# KiCad board enclosurefinal01.kicad_pcb (continued)
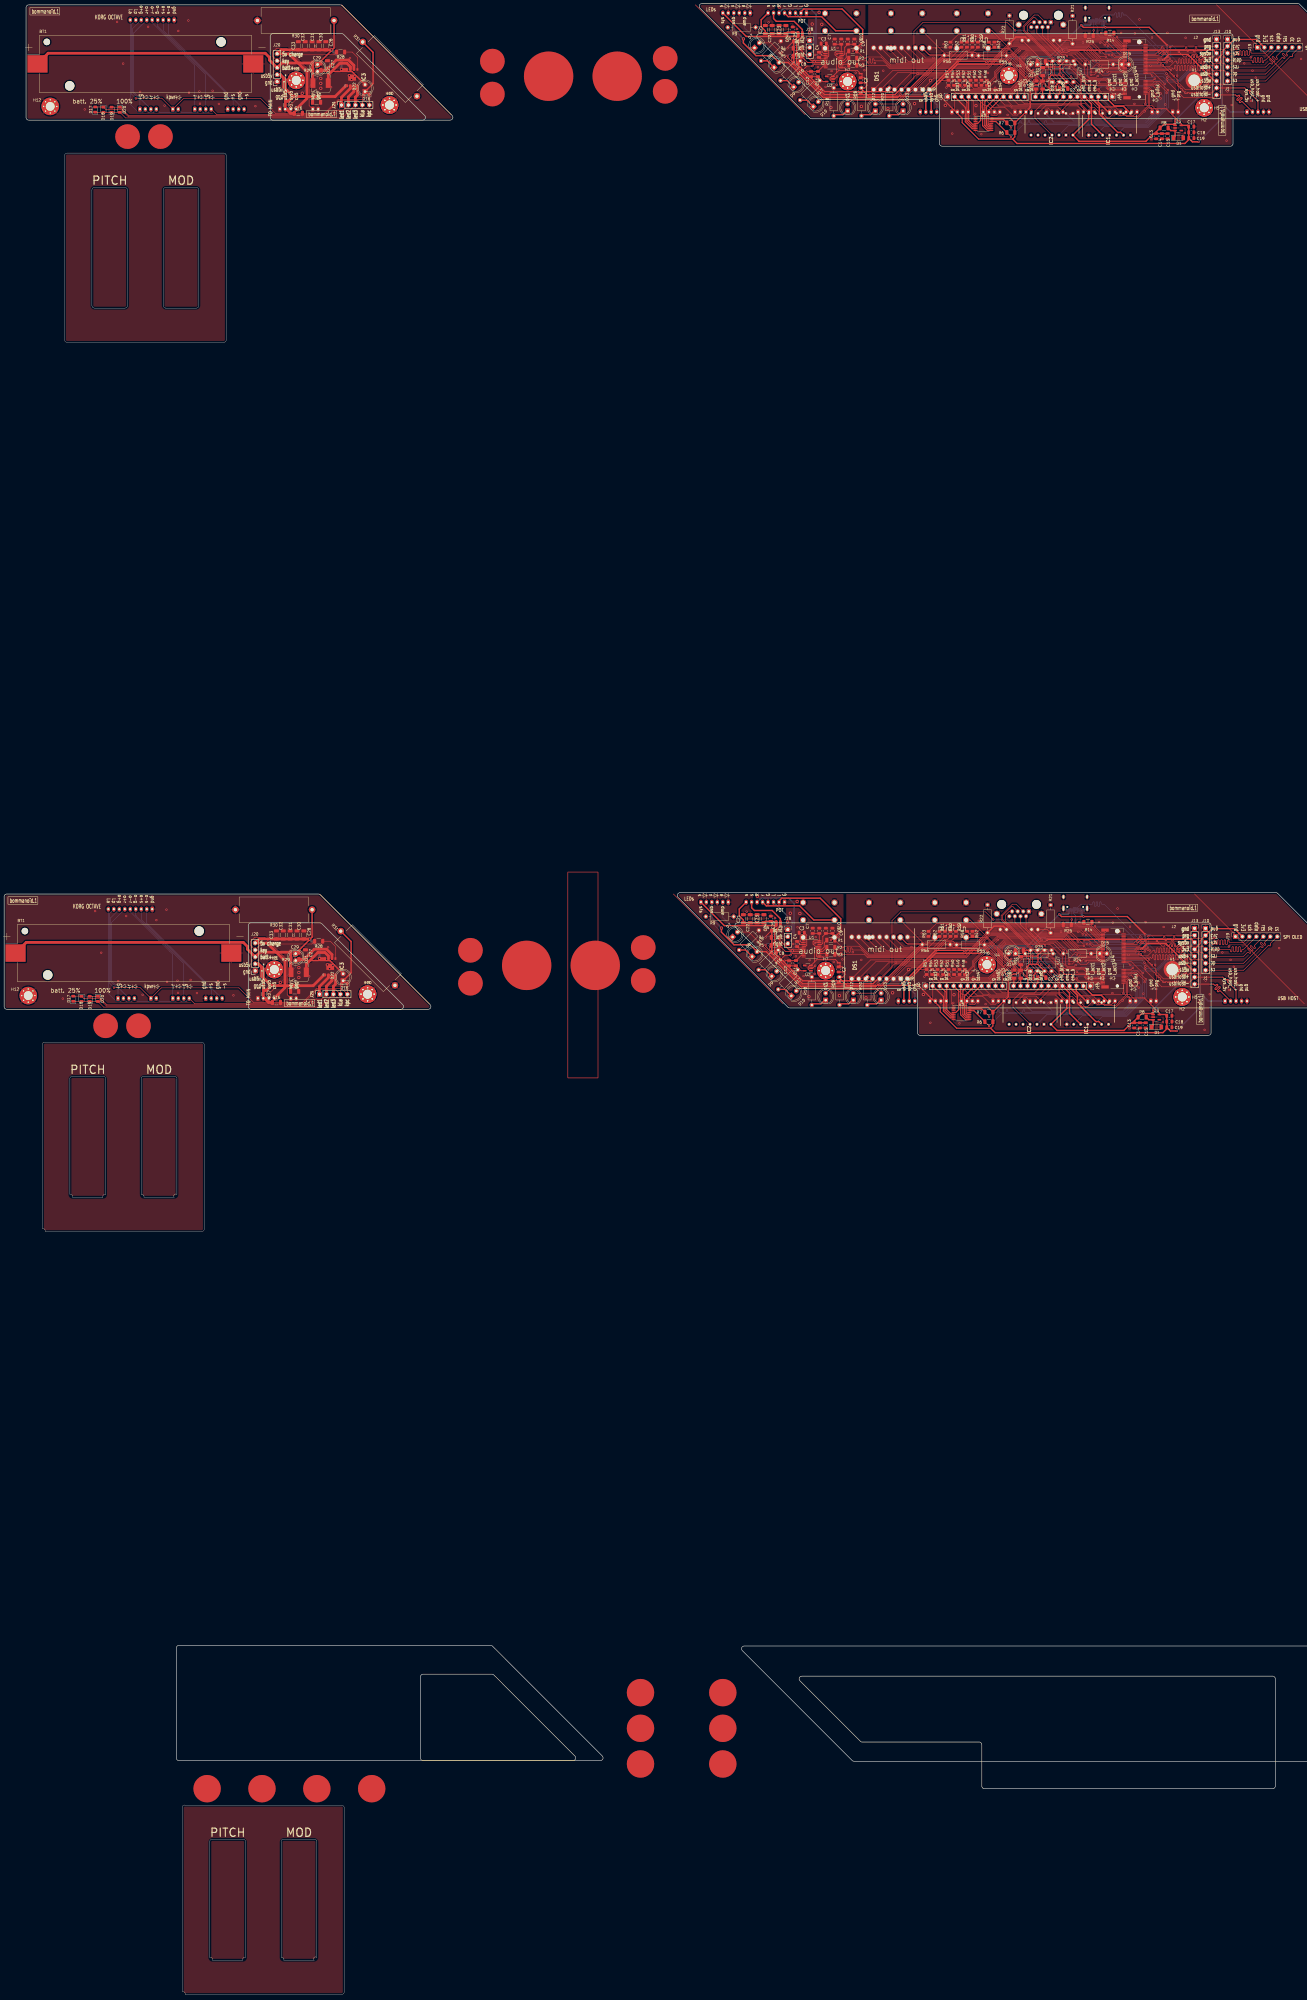
[diagram p0: board, top side]
## Routing (per net, layer and track width the routed paths; a pad name or vN(x,y) marks a point on that pad's centre or on a via; arc(x,y) is an arc through that point) (continued)
  Bottom w0.5: J13.3 444,705.42 444,689 447,686 J32.1 ; v1(364.28,703.4) 366.28,705.4 382.09,705.4 385.82,709.13 387.34,709.13 v1(388.18,708.3) ; v1(356.28,379.4) 358.28,381.4 374.09,381.4 377.82,385.13 379.34,385.13 v1(380.18,384.3) ; v1(327.3,694.8) 335.2,694.8 v1(337.75,692.25) ; J13#2.3 436,381.42 436,365 439,362 J32#2.1 ; v1(329.75,368.25) 327.2,370.8 v1(319.3,370.8)
/bommanoid_main_bottom/usb_5v: length 474.9
  Top w0.5: v1(356.05,380.5) 339.6,380.5 v1(327.3,368.2) 328,367.5 J8.2 ; v1(392.68,717.6) 393.48,716.8 v1(401.48,716.8) 417.48,716.8 v1(423.98,710.3) ; v2(269.5,712.6) 269.5,711.1 274.1,706.5 280,706.5 D8#2.2 285.85,704 298.64,691.2 325.69,691.2 v1(326.84,692.36) ; v2(261.5,388.6) 261.5,387.1 266.1,382.5 272,382.5 D8.2 277.85,380 290.64,367.2 317.69,367.2 v1(318.84,368.36) ; v1(415.98,386.3) 409.48,392.8 v1(393.48,392.8) 385.48,392.8 v1(384.68,393.6) ; J8#2.2 336,691.5 v1(335.3,692.2) 347.6,704.5 v1(364.05,704.5) ; v1(422.58,704.9) 424.58,706.9 431.6,706.9 441.24,697.26 J13.7 ; J13#2.7 433.24,373.26 423.6,382.9 416.58,382.9 v1(414.58,380.9)
  Bottom w0.3: J6#2.A4 395.95,717.73 395.98,717.7 396.25,717.98 J6#2.B9 ; J6.B9 388.25,393.98 387.98,393.7 387.95,393.73 J6.A4 ; 392.78,393.3 392.75,393.33 J6.B4 ; 400.88,717.4 401.05,717.58 J6#2.A9 ; 392.88,393.4 393.05,393.58 J6.A9 ; J6#2.B4 400.75,717.33 400.78,717.3
  Bottom w0.5: J22.4 266,716.1 v2(269.5,712.6) ; v1(415.98,386.3) 415.98,382.3 v1(414.58,380.9) ; v1(364.05,704.5) 365.65,706.1 381.17,706.1 v1(392.68,717.6) 395.78,717.6 396.18,718 ; v1(356.05,380.5) 357.65,382.1 373.17,382.1 v1(384.68,393.6) 387.78,393.6 388.18,394 ; J22#2.4 258,392.1 v2(261.5,388.6) ; 400.88,717.4 v1(401.48,716.8) ; v1(423.98,710.3) 423.98,706.3 v1(422.58,704.9) ; v1(327.3,368.2) 327.14,368.36 v1(318.84,368.36) ; v1(326.84,692.36) 335.14,692.36 v1(335.3,692.2) ; 392.88,393.4 v1(393.48,392.8)
/bommanoid_main_bottom/usb_data_+: length 124.3
  Top w0.2: J13.5 436.49,707.85 422.57,707.85 v1(422.38,707.65) ; J13#2.5 428.49,383.85 414.57,383.85 v1(414.38,383.65)
  Bottom w0.2: J6.A6 390.25,394.41 390.3,394.36 391.2,394.36 391.25,394.41 J6.B6 391.25,396.06 392.5,397.3 396.6,397.3 arc(396.81,397.39) 396.9,397.6 396.9,397.87 arc(396.99,398.08) 397.2,398.17 arc(397.41,398.08) 397.5,397.87 397.5,396.73 arc(397.59,396.52) 397.8,396.43 arc(398.01,396.52) 398.1,396.73 398.1,397.87 arc(398.19,398.08) 398.4,398.17 arc(398.61,398.08) 398.7,397.87 398.7,396.73 arc(398.79,396.52) 399,396.43 arc(399.21,396.52) 399.3,396.73 399.3,397.87 arc(399.39,398.08) 399.6,398.17 arc(399.81,398.08) 399.9,397.87 399.9,397.6 arc(399.99,397.39) 400.2,397.3 401.03,397.3 414.38,383.95 v1(414.38,383.65) ; v1(422.38,707.65) 422.38,707.95 409.03,721.3 408.2,721.3 arc(407.99,721.39) 407.9,721.6 407.9,721.87 arc(407.81,722.08) 407.6,722.17 arc(407.39,722.08) 407.3,721.87 407.3,720.73 arc(407.21,720.52) 407,720.43 arc(406.79,720.52) 406.7,720.73 406.7,721.87 arc(406.61,722.08) 406.4,722.17 arc(406.19,722.08) 406.1,721.87 406.1,720.73 arc(406.01,720.52) 405.8,720.43 arc(405.59,720.52) 405.5,720.73 405.5,721.87 arc(405.41,722.08) 405.2,722.17 arc(404.99,722.08) 404.9,721.87 404.9,721.6 arc(404.81,721.39) 404.6,721.3 400.5,721.3 399.25,720.06 J6#2.B6 399.25,718.41 399.2,718.36 398.3,718.36 398.25,718.41 J6#2.A6
/bommanoid_main_bottom/usb_data_-: length 124.3
  Top w0.2: J13#2.6 428.7,381.1 arc(428.48,381.19) 428.27,381.1 428.07,380.9 arc(427.86,380.81) 427.65,380.9 arc(427.56,381.11) 427.65,381.33 428.47,382.15 arc(428.56,382.37) 428.47,382.58 arc(428.26,382.67) 428.05,382.58 427.22,381.75 arc(427.01,381.66) 426.8,381.75 arc(426.71,381.96) 426.8,382.17 427,382.38 arc(427.09,382.59) 427,382.8 426.35,383.45 416.35,383.45 415.85,382.95 413.88,382.95 v1(413.18,383.65) ; v1(421.18,707.65) 421.88,706.95 423.85,706.95 424.35,707.45 434.35,707.45 435,706.8 arc(435.09,706.59) 435,706.38 434.8,706.17 arc(434.71,705.96) 434.8,705.75 arc(435.01,705.66) 435.22,705.75 436.05,706.58 arc(436.26,706.67) 436.47,706.58 arc(436.56,706.37) 436.47,706.15 435.65,705.33 arc(435.56,705.11) 435.65,704.9 arc(435.86,704.81) 436.07,704.9 436.27,705.1 arc(436.48,705.19) 436.7,705.1 J13.6
  Bottom w0.2: v1(413.18,383.65) 413.12,383.65 407.78,389 391.78,389 390.58,390.2 390.58,393.2 389.75,394.03 J6.B7 389.75,396.06 389.8,396.11 390.7,396.11 390.75,396.06 J6.A7 ; v1(421.18,707.65) 421.12,707.65 415.78,713 399.78,713 398.58,714.2 398.58,717.2 397.75,718.03 J6#2.B7 397.75,720.06 397.8,720.11 398.7,720.11 398.75,720.06 J6#2.A7
/bommanoid_main_bottom/usb_host_+: length 44
  Top w0.3: J32.3 457.1,689.9 454.1,692.9 arc(454.01,693.11) 454.1,693.33 454.21,693.44 arc(454.3,693.65) 454.21,693.86 arc(454,693.95) 453.79,693.86 453.67,693.75 arc(453.46,693.66) 453.25,693.75 452.28,694.72 J13.8 ; J32#2.3 449.1,365.9 446.1,368.9 arc(446.01,369.11) 446.1,369.33 446.21,369.44 arc(446.3,369.65) 446.21,369.86 arc(446,369.95) 445.79,369.86 445.67,369.75 arc(445.46,369.66) 445.25,369.75 444.28,370.72 J13#2.8
/bommanoid_main_bottom/usb_host_-: length 44
  Top w0.3: J32.2 451.42,689.68 arc(451.21,689.77) 451,689.68 450.75,689.43 arc(450.53,689.34) 450.32,689.43 arc(450.23,689.64) 450.32,689.85 451.25,690.78 arc(451.33,690.99) 451.25,691.2 arc(451.03,691.29) 450.82,691.2 449.9,690.28 arc(449.69,690.19) 449.47,690.28 arc(449.39,690.49) 449.47,690.7 450.4,691.63 arc(450.49,691.84) 450.4,692.05 arc(450.19,692.14) 449.97,692.05 449.72,691.8 arc(449.51,691.71) 449.3,691.8 448.92,692.18 J13.9 ; J32#2.2 443.42,365.68 arc(443.21,365.77) 443,365.68 442.75,365.43 arc(442.53,365.34) 442.32,365.43 arc(442.23,365.64) 442.32,365.85 443.25,366.78 arc(443.33,366.99) 443.25,367.2 arc(443.03,367.29) 442.82,367.2 441.9,366.28 arc(441.69,366.19) 441.47,366.28 arc(441.39,366.49) 441.47,366.7 442.4,367.63 arc(442.49,367.84) 442.4,368.05 arc(442.19,368.14) 441.97,368.05 441.72,367.8 arc(441.51,367.71) 441.3,367.8 440.92,368.18 J13#2.9
/bommanoid_main_bottom/ws2812_data_5v: length 85.2
  Top w0.2: J17#2.3 368.9,397.3 367.58,397.3 363.48,393.2 363.48,391.6 374.08,381 374.08,375.5 378.16,371.42 J15#2.8 ; J15.8 386.16,695.42 382.08,699.5 382.08,705 371.48,715.6 371.48,717.2 375.58,721.3 376.9,721.3 J17.3
/bommanoid_main_top/aleft: length 28.1
  Top w0.3: v1(285.58,709.2) 285.58,709.55 C5.1 ; R4.2 279.66,387.64 ; C5#2.1 277.58,385.55 v1(277.58,385.2) ; R4#2.2 287.66,711.64
  Bottom w0.3: v1(285.58,709.2) 285.84,709.46 J5.2 ; v1(277.58,385.2) 277.84,385.46 J5#2.2
/bommanoid_main_top/aright: length 28.6
  Top w0.3: v1(277.58,382.4) 277.58,381.9 C8.1 ; R5#2.2 287.66,703.81 ; v1(285.58,706.4) 285.58,705.9 C8#2.1 ; R5.2 279.66,379.81
  Bottom w0.3: J5.3 286.1,706.92 v1(285.58,706.4) ; J5#2.3 278.1,382.92 v1(277.58,382.4)
/bommanoid_main_top/btn_x1: length 30.9
  Top w0.4: U5#2.7 352.93,679.88 350.4,682.4 350.4,687.67 J4#2.2 ; U5.7 344.93,355.88 342.4,358.4 342.4,363.67 J4.2
/bommanoid_main_top/btn_x2: length 27.3
  Top w0.4: J4#2.3 351,689.61 351,682.67 353.15,680.53 U5#2.6 ; J4.3 343,365.61 343,358.67 345.15,356.53 U5.6
/bommanoid_main_top/btn_x3: length 23.6
  Top w0.4: U5#2.5 354.09,681.23 353.29,681.23 351.65,682.87 J4#2.4 ; J4.4 343.65,358.87 345.29,357.23 346.09,357.23 U5.5
/bommanoid_main_top/btn_x4: length 23.3
  Top w0.4: J4.5 348,365.69 348,358.89 346.93,357.83 U5.4 ; U5#2.4 354.93,681.83 356,682.89 356,689.69 J4#2.5
/bommanoid_main_top/btn_x5: length 28.8
  Top w0.4: U5#2.9 358.47,679.23 356.73,680.97 J4#2.6 ; U5.9 350.47,355.23 348.73,356.97 J4.6
/bommanoid_main_top/btn_x6: length 28
  Top w0.4: U5.10 350.67,355.88 349.53,357.02 349.53,365.76 J4.7 ; J4#2.7 357.53,689.76 357.53,681.02 358.67,679.88 U5#2.10
/bommanoid_main_top/btn_x7: length 27.6
  Top w0.4: U5.11 350.87,356.53 350.13,357.27 350.13,363.82 J4.8 ; U5#2.11 358.87,680.53 358.13,681.27 358.13,687.82 J4#2.8
/bommanoid_main_top/btn_x8: length 26.8
  Top w0.4: U5#2.12 359.07,681.18 358.73,681.52 358.73,686.3 363.92,691.5 ; 355.92,367.5 350.73,362.3 350.73,357.52 351.07,357.18 U5.12
/bommanoid_main_top/enc_a: length 91.3
  Top w0.2: U4.43 392.09,378.75 389.84,376.5 v1(388.16,376.5) ; v1(374.86,700.1) 372.66,697.9 372.66,696.9 369.43,693.67 J4#2.11 ; U4#2.43 400.09,702.75 397.84,700.5 v1(396.16,700.5) ; J4.11 361.43,369.67 364.66,372.9 364.66,373.9 v1(366.86,376.1)
  Bottom w0.2: v1(366.86,376.1) 367.25,376.5 v1(388.16,376.5) ; v1(396.16,700.5) 375.25,700.5 v1(374.86,700.1)
/bommanoid_main_top/enc_b: length 88.4
  Top w0.2: U4.41 392.16,378.25 389.41,375.5 v1(388.27,375.5) ; v1(396.27,699.5) 397.41,699.5 400.16,702.25 U4#2.41 ; v1(366.66,374.7) 366.26,374.7 365.06,373.5 365.06,372.7 363.97,371.61 J4.12 ; v1(374.66,698.7) 374.26,698.7 373.06,697.5 373.06,696.7 371.97,695.61 J4#2.12
  Bottom w0.2: v1(366.66,374.7) 367.77,375.81 387.97,375.81 v1(388.27,375.5) ; v1(396.27,699.5) 395.97,699.81 375.77,699.81 v1(374.66,698.7)
/bommanoid_main_top/enc_btn: length 94.9
  Top w0.2: 366.89,691.73 372.26,697.1 372.26,698.5 v1(375.06,701.3) ; v1(396.28,701.49) 398.58,703.8 408.51,703.8 ; v1(367.06,377.3) 364.26,374.5 364.26,373.1 358.89,367.73 ; v1(388.28,377.49) 390.58,379.8 400.51,379.8
  Bottom w0.2: v1(367.06,377.3) 367.25,377.49 v1(388.28,377.49) ; v1(396.28,701.49) 375.25,701.49 v1(375.06,701.3)
/bommanoid_main_top/I2C_SCL: length 163.3
  Top w0.2: v1(413.66,368.7) 410.86,371.5 U4.14 ; v1(421.66,692.7) 418.86,695.5 U4#2.14 ; R6#2.1 367.06,676.98 v1(367.06,676.9) ; R6.1 359.06,352.98 v1(359.06,352.9)
  Top w0.4: U5#2.14 361.56,682.48 R6#2.1 ; R6.1 353.56,358.48 U5.14
  Bottom w0.2: v1(421.66,692.7) 422.46,691.9 422.46,687.41 416.55,681.5 371.66,681.5 v1(367.06,676.9) ; v1(359.06,352.9) 363.66,357.5 408.55,357.5 414.46,363.41 414.46,367.9 v1(413.66,368.7)
/bommanoid_main_top/I2C_SDA: length 162.8
  Top w0.2: R7#2.1 367.06,680.48 v1(367.06,680.3) ; U4#2.12 417.37,695 421.47,690.9 v1(421.66,690.9) ; v1(413.66,366.9) 413.47,366.9 409.37,371 U4.12 ; R7.1 359.06,356.48 v1(359.06,356.3)
  Top w0.4: R7.1 356.41,359.13 U5.15 ; U5#2.15 364.41,683.13 R7#2.1
  Bottom w0.2: v1(421.66,690.9) 421.75,690.8 421.75,687.27 416.39,681.9 380.3,681.9 arc(380.09,681.99) 380,682.2 380,682.6 arc(379.91,682.81) 379.7,682.9 arc(379.49,682.81) 379.4,682.6 379.4,682.2 arc(379.31,681.99) 379.1,681.9 374.2,681.9 arc(373.99,681.99) 373.9,682.2 373.9,682.6 arc(373.81,682.81) 373.6,682.9 arc(373.39,682.81) 373.3,682.6 373.3,682.2 arc(373.21,681.99) 373,681.9 371,681.9 arc(370.79,681.99) 370.7,682.2 370.7,682.6 arc(370.61,682.81) 370.4,682.9 arc(370.19,682.81) 370.1,682.6 370.1,682.2 arc(370.01,681.99) 369.8,681.9 368.66,681.9 v1(367.06,680.3) ; v1(359.06,356.3) 360.66,357.9 361.8,357.9 arc(362.01,357.99) 362.1,358.2 362.1,358.6 arc(362.19,358.81) 362.4,358.9 arc(362.61,358.81) 362.7,358.6 362.7,358.2 arc(362.79,357.99) 363,357.9 365,357.9 arc(365.21,357.99) 365.3,358.2 365.3,358.6 arc(365.39,358.81) 365.6,358.9 arc(365.81,358.81) 365.9,358.6 365.9,358.2 arc(365.99,357.99) 366.2,357.9 371.1,357.9 arc(371.31,357.99) 371.4,358.2 371.4,358.6 arc(371.49,358.81) 371.7,358.9 arc(371.91,358.81) 372,358.6 372,358.2 arc(372.09,357.99) 372.3,357.9 408.39,357.9 413.75,363.27 413.75,366.8 v1(413.66,366.9)
/bommanoid_main_top/I2S_BCK_MM: length 264.1
  Top w0.2: U4#2.50 420.27,704.5 420.96,705.2 425.03,705.2 v1(425.04,705.19) ; U4.50 412.27,380.5 412.96,381.2 417.03,381.2 v1(417.04,381.19) ; R3.1 311.9,703 arc(312.11,702.91) 312.2,702.7 312.2,702.47 arc(312.29,702.25) 312.5,702.17 arc(312.71,702.25) 312.8,702.47 312.8,703.53 arc(312.89,703.75) 313.1,703.83 arc(313.31,703.75) 313.4,703.53 313.4,703.3 arc(313.49,703.09) 313.7,703 321.56,703 322.66,701.9 358.86,701.9 367.26,710.3 395.42,710.3 399.62,706.1 v1(401.66,706.1) ; v1(393.66,382.1) 391.62,382.1 387.42,386.3 359.26,386.3 350.86,377.9 314.66,377.9 313.56,379 305.7,379 arc(305.49,379.09) 305.4,379.3 305.4,379.53 arc(305.31,379.75) 305.1,379.83 arc(304.89,379.75) 304.8,379.53 304.8,378.47 arc(304.71,378.25) 304.5,378.17 arc(304.29,378.25) 304.2,378.47 304.2,378.7 arc(304.11,378.91) 303.9,379 R3#2.1
  Bottom w0.2: v1(417.04,381.19) 417.03,381.2 394.56,381.2 v1(393.66,382.1) ; v1(401.66,706.1) 402.56,705.2 425.03,705.2 v1(425.04,705.19)
/bommanoid_main_top/I2S_DIN_MM: length 263.8
  Top w0.2: v1(399.46,707.7) 396.46,710.7 367.09,710.7 358.69,702.3 322.86,702.3 320.56,704.6 317.4,704.6 arc(317.19,704.69) 317.1,704.9 317.1,705.18 arc(317.01,705.4) 316.8,705.48 arc(316.59,705.4) 316.5,705.18 316.5,704.02 arc(316.41,703.8) 316.2,703.72 arc(315.99,703.8) 315.9,704.02 315.9,705.18 arc(315.81,705.4) 315.6,705.48 arc(315.39,705.4) 315.3,705.18 315.3,704.02 arc(315.21,703.8) 315,703.72 arc(314.79,703.8) 314.7,704.02 314.7,704.3 arc(314.61,704.51) 314.4,704.6 311.84,704.6 R2.1 ; v1(391.46,383.7) 388.46,386.7 359.09,386.7 350.69,378.3 314.86,378.3 312.56,380.6 309.4,380.6 arc(309.19,380.69) 309.1,380.9 309.1,381.18 arc(309.01,381.4) 308.8,381.48 arc(308.59,381.4) 308.5,381.18 308.5,380.02 arc(308.41,379.8) 308.2,379.72 arc(307.99,379.8) 307.9,380.02 307.9,381.18 arc(307.81,381.4) 307.6,381.48 arc(307.39,381.4) 307.3,381.18 307.3,380.02 arc(307.21,379.8) 307,379.72 arc(306.79,379.8) 306.7,380.02 306.7,380.3 arc(306.61,380.51) 306.4,380.6 303.84,380.6 R2#2.1 ; v1(415.14,383.36) 413.78,382 U4.56 ; v1(423.14,707.36) 421.78,706 U4#2.56
  Bottom w0.2: v1(423.14,707.36) 423.1,707.4 399.76,707.4 v1(399.46,707.7) ; v1(391.46,383.7) 391.76,383.4 415.1,383.4 v1(415.14,383.36)
/bommanoid_main_top/I2S_LRCK_MM: length 263
  Top w0.2: R1.1 313.04,706 313.2,706 arc(313.41,705.91) 313.5,705.7 313.5,705.58 arc(313.59,705.37) 313.8,705.28 arc(314.01,705.37) 314.1,705.58 314.1,705.7 arc(314.19,705.91) 314.4,706 319.72,706 323.02,702.7 358.53,702.7 366.93,711.1 397.06,711.1 401.37,706.8 402.76,706.8 v1(402.86,706.7) ; R1#2.1 305.04,382 305.2,382 arc(305.41,381.91) 305.5,381.7 305.5,381.58 arc(305.59,381.37) 305.8,381.28 arc(306.01,381.37) 306.1,381.58 306.1,381.7 arc(306.19,381.91) 306.4,382 311.72,382 315.02,378.7 350.53,378.7 358.93,387.1 389.06,387.1 393.37,382.8 394.76,382.8 v1(394.86,382.7) ; v1(416.46,382) 416.05,381.6 412.8,381.6 412.2,381 U4.52 ; v1(424.46,706) 424.05,705.6 420.8,705.6 420.2,705 U4#2.52
  Bottom w0.2: v1(402.86,706.7) 403.96,705.6 424.05,705.6 v1(424.46,706) ; v1(416.46,382) 416.05,381.6 395.96,381.6 v1(394.86,382.7)
/bommanoid_main_top/ld_a: length 124.6
  Top w0.2: R62#2.2 343.49,389.9 395.39,389.9 399.54,385.75 U4.71 ; R62.2 351.49,713.9 403.39,713.9 407.54,709.75 U4#2.71
/bommanoid_main_top/ld_b: length 132.9
  Top w0.2: R63#2.2 347.89,714.3 403.55,714.3 407.6,710.25 U4#2.73 ; U4.73 399.6,386.25 395.55,390.3 339.89,390.3 R63.2
/bommanoid_main_top/ld_c: length 191.2
  Top w0.2: v1(411.5,374.14) 410.87,373.5 U4.22 ; R57#2.1 339.11,368.88 359.47,368.88 363.85,373.26 363.85,381.3 365.26,382.7 381.2,382.7 385.86,378.04 385.86,375.9 387.56,374.2 394.36,374.2 v1(394.86,373.7) ; R57.1 347.11,692.88 367.47,692.88 371.85,697.26 371.85,705.3 373.26,706.7 389.2,706.7 393.86,702.04 393.86,699.9 395.56,698.2 402.36,698.2 v1(402.86,697.7) ; v1(419.5,698.14) 418.87,697.5 U4#2.22
  Bottom w0.2: v1(394.86,373.7) 411.07,373.7 v1(411.5,374.14) ; v1(402.86,697.7) 419.07,697.7 v1(419.5,698.14)
/bommanoid_main_top/ld_d: length 201.5
  Top w0.2: R53#2.1 350.31,693.68 367.14,693.68 371.05,697.59 371.05,705.63 372.93,707.5 391.26,707.5 v1(394.26,704.5) ; v1(417.38,377.17) 417.04,377.5 408.11,377.5 ; R53.1 342.31,369.68 359.14,369.68 363.05,373.59 363.05,381.63 364.93,383.5 383.26,383.5 v1(386.26,380.5) ; 416.11,701.5 425.04,701.5 v1(425.38,701.17)
  Bottom w0.2: v1(417.38,377.17) 416.58,377.97 395.54,377.97 395.38,377.8 388.95,377.8 387.53,379.23 387.15,379.23 386.26,380.12 v1(386.26,380.5) ; v1(394.26,704.5) 394.26,704.12 395.15,703.23 395.53,703.23 396.95,701.8 403.38,701.8 403.54,701.97 424.58,701.97 v1(425.38,701.17)
/bommanoid_main_top/LD_dig1: length 94.6
  Top w0.2: U4#2.53 399.91,705.25 395.26,709.9 367.46,709.9 365.38,707.83 R55.2 ; U4.53 391.91,381.25 387.26,385.9 359.46,385.9 357.38,383.83 R55#2.2
/bommanoid_main_top/LD_dig2: length 164.4
  Top w0.2: v1(401.26,710.3) 400.06,711.5 366.76,711.5 360.66,705.4 354.08,705.4 R56#2.2 ; U4#2.58 420.57,706.5 v1(422.83,708.76) ; R56.2 346.08,381.4 352.66,381.4 358.76,387.5 392.06,387.5 v1(393.26,386.3) ; U4.58 412.57,382.5 v1(414.83,384.76)
  Bottom w0.2: v1(422.83,708.76) 422.27,708.2 403.36,708.2 v1(401.26,710.3) ; v1(393.26,386.3) 395.36,384.2 414.27,384.2 v1(414.83,384.76)
/bommanoid_main_top/ld_dp: length 184.8
  Top w0.2: v1(398.66,699.1) 398.15,698.6 395.72,698.6 394.86,699.46 394.86,702.66 390.42,707.1 373.09,707.1 371.45,705.46 371.45,697.43 367.3,693.28 348.71,693.28 R54#2.1 ; v1(418.57,699.18) 417.75,700 U4#2.32 ; R54.1 340.71,369.28 359.3,369.28 363.45,373.43 363.45,381.46 365.09,383.1 382.42,383.1 386.86,378.66 386.86,375.46 387.72,374.6 390.15,374.6 v1(390.66,375.1) ; v1(410.57,375.18) 409.75,376 U4.32
  Bottom w0.2: v1(410.57,375.18) 410.25,375.5 391.06,375.5 v1(390.66,375.1) ; v1(418.57,699.18) 418.25,699.5 399.06,699.5 v1(398.66,699.1)
/bommanoid_main_top/ld_e: length 117.2
  Top w0.2: U4#2.49 399.51,704.25 394.66,709.1 370.26,709.1 361.46,700.3 361.46,698.61 358.53,695.69 ; U4.49 391.51,380.25 386.66,385.1 362.26,385.1 353.46,376.3 353.46,374.61 350.53,371.69
/bommanoid_main_top/ld_f: length 98.5
  Top w0.2: U4#2.63 407.28,707.75 402.73,712.3 362.46,712.3 361.57,711.41 ; 353.57,387.41 354.46,388.3 394.73,388.3 399.28,383.75 U4.63
/bommanoid_main_top/ld_g: length 146.4
  Top w0.2: v1(414.22,385.55) 411.66,383 U4.60 ; v1(422.22,709.55) 419.66,707 U4#2.60 ; R58#2.2 352.01,386.4 353.96,386.4 355.46,387.9 392.66,387.9 v1(394.46,386.1) ; R58.2 360.01,710.4 361.96,710.4 363.46,711.9 400.66,711.9 v1(402.46,710.1)
  Bottom w0.2: v1(394.46,386.1) 395.96,384.6 413.26,384.6 v1(414.22,385.55) ; v1(422.22,709.55) 421.26,708.6 403.96,708.6 v1(402.46,710.1)
/bommanoid_main_top/ld_h: length 111.9
  Top w0.2: 347,387.45 348.25,388.7 394.89,388.7 399.34,384.25 U4.65 ; U4#2.65 407.34,708.25 402.89,712.7 356.25,712.7 355,711.45
/bommanoid_main_top/ld_j: length 115.8
  Top w0.2: 345.17,387.41 346.86,389.1 395.06,389.1 399.41,384.75 U4.67 ; U4#2.67 407.41,708.75 403.06,713.1 354.86,713.1 353.17,711.41
/bommanoid_main_top/ld_k: length 182.9
  Top w0.2: U4.44 413.5,379 v1(413.8,379.3) ; v1(421.8,703.3) 421.5,703 U4#2.44 ; R52.1 351.91,694.08 366.97,694.08 370.65,697.76 370.65,705.79 372.76,707.9 391.86,707.9 395.44,704.32 v1(395.44,703.93) ; v1(387.44,379.93) 387.44,380.32 383.86,383.9 364.76,383.9 362.65,381.79 362.65,373.76 358.97,370.08 343.91,370.08 R52#2.1
  Bottom w0.2: v1(387.44,379.93) 389.17,378.2 391.54,378.2 392.64,379.3 v1(413.8,379.3) ; v1(421.8,703.3) 400.64,703.3 399.54,702.2 397.17,702.2 v1(395.44,703.93)
/bommanoid_main_top/ld_l: length 184.9
  Top w0.2: U4.46 412.4,379.5 413,380.1 v1(415.86,380.1) ; R51.1 353.51,694.48 366.81,694.48 370.26,697.92 370.26,706.1 372.46,708.3 393.44,708.3 v1(397.05,704.69) ; v1(389.05,380.69) 385.44,384.3 364.46,384.3 362.26,382.1 362.26,373.92 358.81,370.48 345.51,370.48 R51#2.1 ; v1(423.86,704.1) 421,704.1 420.4,703.5 U4#2.46
  Bottom w0.2: v1(397.05,704.69) 397.85,703.9 420.79,703.9 421,704.1 v1(423.86,704.1) ; v1(389.05,380.69) 389.85,379.9 412.79,379.9 413,380.1 v1(415.86,380.1)
/bommanoid_main_top/ld_m: length 181.1
  Top w0.2: R50.1 355.11,694.88 358.98,694.88 361.86,697.75 361.86,699.8 370.75,708.7 394.06,708.7 v1(398.06,704.7) ; v1(417.68,380.42) 416.82,380.42 416.44,380.8 413.13,380.8 412.33,380 U4.48 ; R50#2.1 347.11,370.88 350.98,370.88 353.86,373.75 353.86,375.8 362.75,384.7 386.06,384.7 v1(390.06,380.7) ; U4#2.48 420.33,704 421.13,704.8 424.44,704.8 424.82,704.42 v1(425.68,704.42)
  Bottom w0.2: v1(390.06,380.7) 390.15,380.8 416.44,380.8 416.82,380.42 v1(417.68,380.42) ; v1(425.68,704.42) 424.82,704.42 424.44,704.8 398.15,704.8 v1(398.06,704.7)
/bommanoid_main_top/ld_n: length 122.1
  Top w0.2: U4.51 391.61,380.75 386.86,385.5 361.94,385.5 353.06,376.62 353.06,374.78 350.98,372.7 349.31,372.7 R49.1 ; U4#2.51 399.61,704.75 394.86,709.5 369.94,709.5 361.06,700.62 361.06,698.78 358.98,696.7 357.31,696.7 R49#2.1
/bommanoid_main_top/ld_p: length 120.9
  Top w0.2: R61#2.2 351,711.85 352.66,713.5 403.22,713.5 407.47,709.25 U4#2.69 ; R61.2 343,387.85 344.66,389.5 395.22,389.5 399.47,385.25 U4.69
/bommanoid_main_top/led_act1_3v3: length 53.6
  Top w0.2: U4.8 409.14,370 409.59,369.55 409.59,364.11 405.18,359.7 394.23,359.7 IC1#2.12 ; U4#2.8 417.14,694 417.59,693.55 417.59,688.11 413.18,683.7 402.23,683.7 IC1.12
/bommanoid_main_top/led_act1_5v: length 15.5
  Top w0.5: J3#2.3 398.86,689.61 IC1.11 ; J3.3 390.86,365.61 IC1#2.11
/bommanoid_main_top/led_act2_3v3: length 77.8
  Top w0.2: v1(424.26,693.9) 421.16,697 U4#2.20 ; v1(416.26,369.9) 413.16,373 U4.20
  Bottom w0.2: v1(416.26,369.9) 416.48,369.68 416.48,363.63 409.15,356.3 400.31,356.3 IC1#2.5 ; v1(424.26,693.9) 424.48,693.68 424.48,687.63 417.15,680.3 408.31,680.3 IC1.5
/bommanoid_main_top/led_act2_5v: length 38.1
  Top w0.5: IC1#2.6 399.07,354.55 397.95,354.55 391.26,361.24 391.26,364.11 388.32,367.05 ; 396.32,691.05 399.26,688.11 399.26,685.24 405.95,678.55 407.07,678.55 IC1.6
/bommanoid_main_top/led_act3_3v3: length 89.6
  Top w0.2: U4.18 412.64,372.5 415.78,369.37 v1(415.78,368.9) ; v1(423.78,692.9) 423.78,693.37 420.64,696.5 U4#2.18
  Bottom w0.2: IC1#2.2 393.09,356.7 408.99,356.7 415.78,363.49 v1(415.78,368.9) ; v1(423.78,692.9) 423.78,687.49 416.99,680.7 401.09,680.7 IC1.2
/bommanoid_main_top/led_act3_5v: length 33.5
  Top w0.5: J3#2.5 396.4,688.89 396.4,681.6 IC1.3 ; J3.5 388.4,364.89 388.4,357.6 IC1#2.3
/bommanoid_main_top/led_blink_3v3: length 33.8
  Top w0.2: IC1.9 409.25,684.3 413.06,684.3 417.19,688.43 417.19,692.95 417.14,693 U4#2.4 ; IC1#2.9 401.25,360.3 405.06,360.3 409.19,364.43 409.19,368.95 409.14,369 U4.4
/bommanoid_main_top/led_blink_5v: length 23.4
  Top w0.5: IC1#2.8 399.99,364.1 396.8,364.1 J3.2 ; IC1.8 407.99,688.1 404.8,688.1 J3#2.2
/bommanoid_main_top/led_rj45_green_3v3: length 116.5
  Top w0.2: v1(413.06,371.1) 412.16,372 U4.16 ; v1(421.06,695.1) 420.16,696 U4#2.16
  Bottom w0.2: v1(421.06,695.1) 420.96,695 420.96,690.61 421,690.57 421,687.08 416.22,682.3 382.63,682.3 IC2#2.5 ; v1(413.06,371.1) 412.96,371 412.96,366.61 413,366.57 413,363.08 408.22,358.3 374.63,358.3 IC2.5
/bommanoid_main_top/led_rj45_green_5v: length 28.6
  Top w0.2: IC2.6 371.75,364.3 377.5,364.3 J3.7 ; J3#2.7 385.5,688.3 379.75,688.3 IC2#2.6
/bommanoid_main_top/led_rj45_yellow_3v3: length 92.6
  Top w0.2: U4#2.10 417.22,694.5 418.26,693.47 418.26,692.76 v1(419.49,691.52) ; U4.10 409.22,370.5 410.26,369.47 410.26,368.76 v1(411.49,367.52)
  Bottom w0.2: v1(411.49,367.52) 412.56,366.46 412.56,366.44 412.6,366.4 412.6,363.25 408.06,358.7 381.85,358.7 IC2.2 ; v1(419.49,691.52) 420.56,690.46 420.56,690.44 420.6,690.4 420.6,687.25 416.06,682.7 389.85,682.7 IC2#2.2
/bommanoid_main_top/led_rj45_yellow_5v: length 17.1
  Top w0.2: IC2.3 382.57,367.5 ; IC2#2.3 390.57,691.5
/bommanoid_main_top/midi_in_ring: length 7
  Top w0.4: R10#2.1 384.84,692.72 J3#2.9 ; J3.9 376.84,368.72 R10.1
/bommanoid_main_top/midi_in_tip: length 29.5
  Top w0.4: 373.25,367.67 D2#2.2 372.9,370.85 372.9,374.5 373.8,375.4 376.78,375.4 U7.3 ; U7#2.3 384.78,699.4 381.8,699.4 380.9,698.5 380.9,694.85 D2.2 381.25,691.67
/bommanoid_main_top/midi_out_ring: length 5.6
  Top w0.4: R12.1 370.6,367.56 ; R12#2.1 378.6,691.56
/bommanoid_main_top/midi_out_tip: length 5.5
  Top w0.4: R13#2.1 376.1,691.6 ; R13.1 368.1,367.6
/bommanoid_main_top/oled_cs: length 117.8
  Top w0.2: U4.55 396.81,381.75 v1(395.86,382.7) ; J1#2.7 436.83,372.09 432.19,372.09 arc(431.98,372) 431.89,371.79 431.89,371.73 arc(431.8,371.52) 431.59,371.43 arc(431.38,371.52) 431.29,371.73 431.29,371.79 arc(431.2,372) 430.99,372.09 429.99,372.09 428,370.1 422.6,370.1 419.6,373.1 v1(419.6,375.2) ; v1(427.6,699.2) 427.6,697.1 430.6,694.1 436,694.1 437.99,696.09 438.99,696.09 arc(439.2,696) 439.29,695.79 439.29,695.73 arc(439.38,695.52) 439.59,695.43 arc(439.8,695.52) 439.89,695.73 439.89,695.79 arc(439.98,696) 440.19,696.09 444.83,696.09 J1.7 ; U4#2.55 404.81,705.75 v1(403.86,706.7)
  Bottom w0.2: v1(403.86,706.7) 403.97,706.59 423.36,706.59 423.47,706.7 425.24,706.7 427.6,704.34 v1(427.6,699.2) ; v1(395.86,382.7) 395.97,382.59 415.36,382.59 415.47,382.7 417.24,382.7 419.6,380.34 v1(419.6,375.2)
/bommanoid_main_top/oled_data: length 117.9
  Top w0.2: v1(420.26,383.9) 422.13,382.03 422.87,382.03 arc(423.08,382.12) 423.17,382.33 423.17,382.38 arc(423.26,382.59) 423.47,382.68 arc(423.68,382.59) 423.77,382.38 423.77,382.33 arc(423.86,382.12) 424.07,382.03 424.57,382.03 arc(424.78,382.12) 424.87,382.33 424.87,382.6 arc(424.96,382.81) 425.17,382.9 arc(425.38,382.81) 425.47,382.6 425.47,381.92 arc(425.5,381.84) 425.58,381.81 425.96,381.81 arc(426.04,381.84) 426.07,381.92 426.07,382.6 arc(426.16,382.81) 426.37,382.9 arc(426.58,382.81) 426.67,382.6 426.67,382.33 arc(426.76,382.12) 426.97,382.03 436.93,382.03 438,380.96 ; 446,704.96 444.93,706.03 434.97,706.03 arc(434.76,706.12) 434.67,706.33 434.67,706.6 arc(434.58,706.81) 434.37,706.9 arc(434.16,706.81) 434.07,706.6 434.07,705.92 arc(434.04,705.84) 433.96,705.81 433.58,705.81 arc(433.5,705.84) 433.47,705.92 433.47,706.6 arc(433.38,706.81) 433.17,706.9 arc(432.96,706.81) 432.87,706.6 432.87,706.33 arc(432.78,706.12) 432.57,706.03 432.07,706.03 arc(431.86,706.12) 431.77,706.33 431.77,706.38 arc(431.68,706.59) 431.47,706.68 arc(431.26,706.59) 431.17,706.38 431.17,706.33 arc(431.08,706.12) 430.87,706.03 430.13,706.03 v1(428.26,707.9) ; v1(394.06,387.5) 398.81,382.75 U4.59 ; v1(402.06,711.5) 406.81,706.75 U4#2.59
  Bottom w0.2: v1(402.06,711.5) 403.26,710.3 425.86,710.3 v1(428.26,707.9) ; v1(420.26,383.9) 417.86,386.3 395.26,386.3 v1(394.06,387.5)
